# Altium PCB JacdacBreadboardEc30-16x6 128.PcbDoc (part 1 of 2)
Units mm, origin at the board's own origin, x right, y up, seen from the top; angles counter-clockwise.
Board outline 158 x 58 mm, 2 copper layers (Top Layer, Bottom Layer), stack 1.525 mm thick; 96 components, 3 nets, 768 pads, 434 vias.
Unrouted connection lines stored in the file: 55.
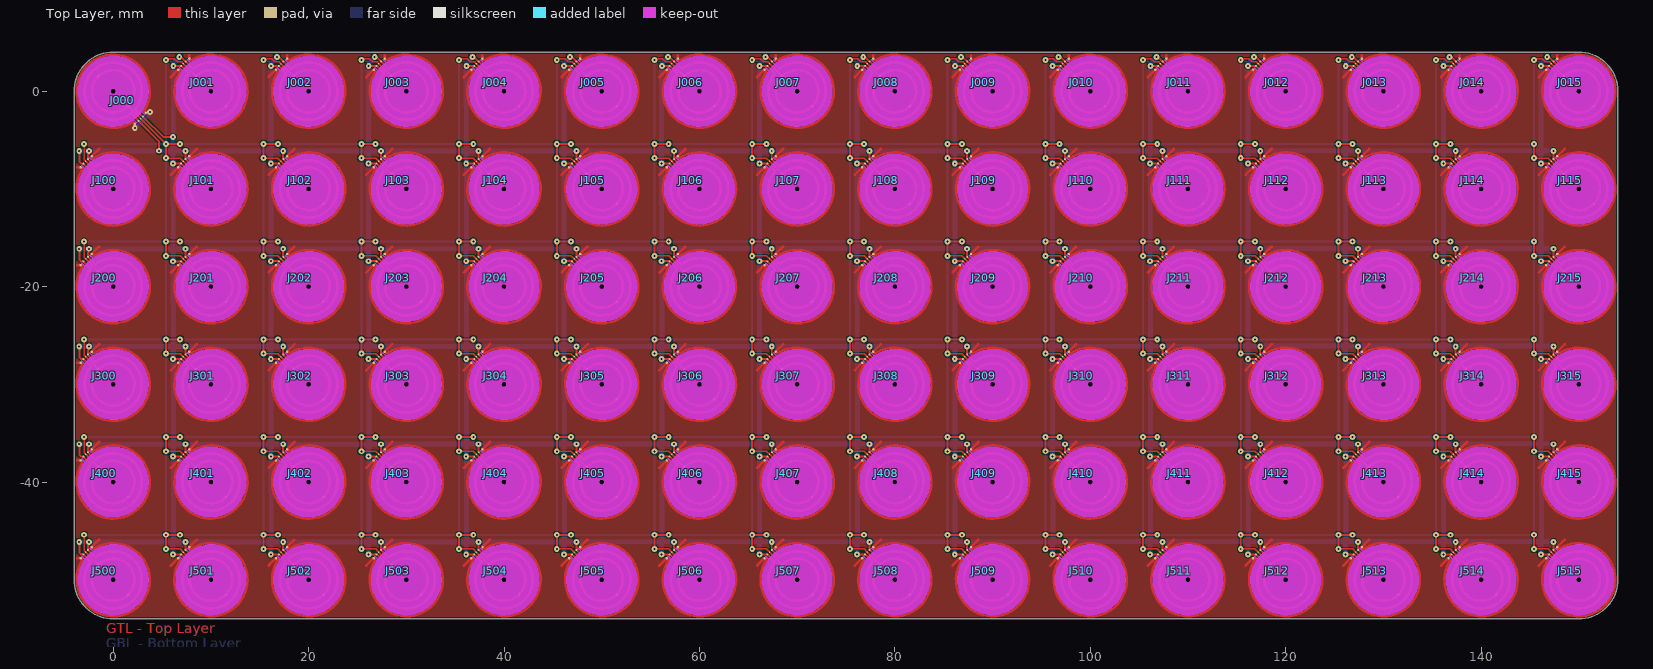
[diagram p0: Top Layer view]
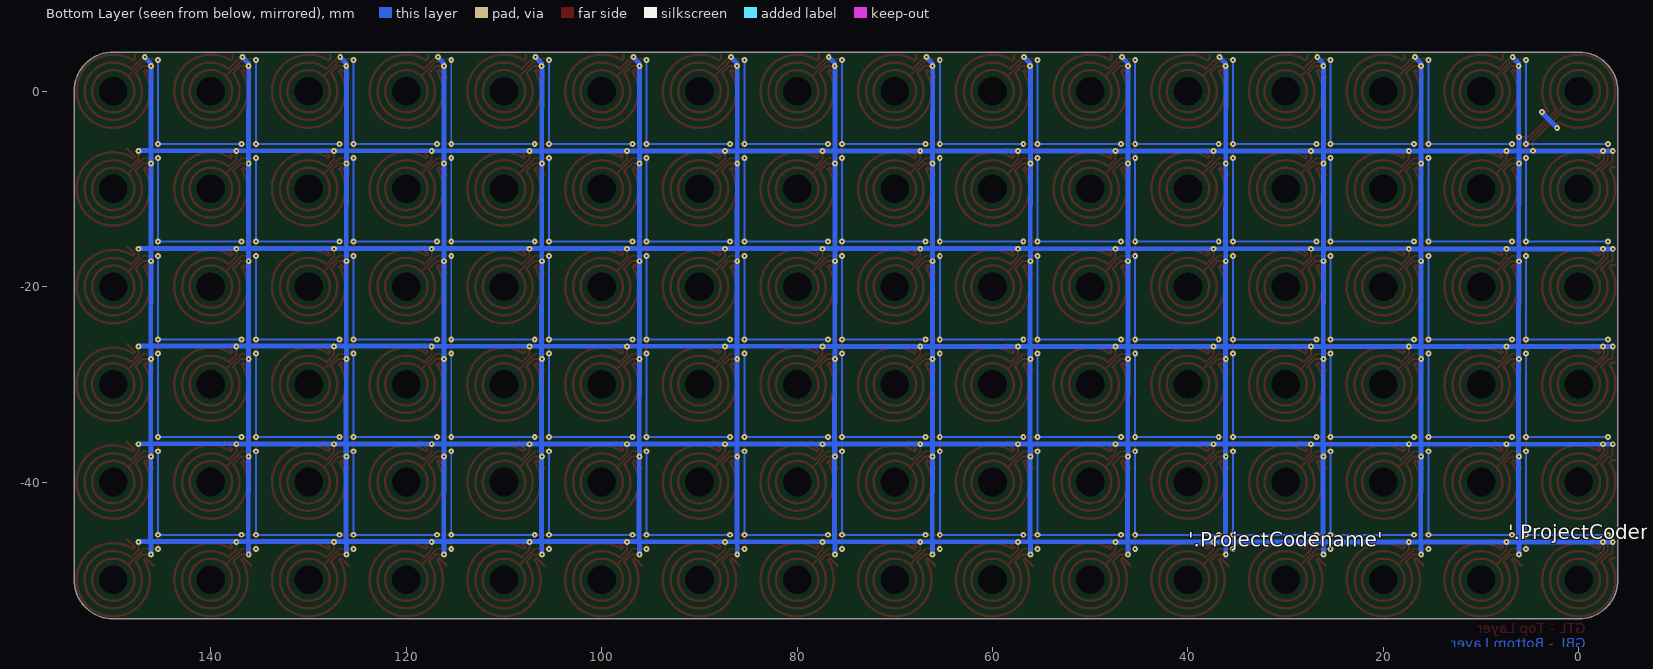
[diagram p1: Bottom Layer view, seen from below]

## Layer stack, top to bottom
Top Solder: solder mask 0.0102, Solder Resist, Dk 3.5
Top Layer: signal copper 0.0356
Dielectric 1: core 1.454, FR-4, Dk 4.2
Bottom Layer: signal copper 0.0356
Bottom Solder: solder mask 0.0102, Solder Resist, Dk 3.5

## Board outline
-4,-50 ccw(c0,-50) 0,-54 150,-54 ccw(c150,-50) 154,-50 154,0 ccw(c150,0) 150,4 0,4 ccw(c0,0) -4,0

## Design rules (kind name [scope] priority, off if disabled: settings)
AssemblyTestPointUsage [All] p1: valid=2
BoardOutlineClearance [All] p1: gap=0.3 ignorepadtopadclearanceinfootprint=FALSE except(0: Arc-SplitContinuation Track-SplitContinuation SMDPad-SplitContinuation THPad-SplitContinuation Via-SplitContinuation Fill-SplitContinuation Poly-SplitContinuation Region-SplitContinuation Text-OutlineEdge Text-SplitContinuation; 0.1: Arc-OutlineEdge; 0.15: Track-OutlineEdge; 0.2: SMDPad-OutlineEdge THPad-OutlineEdge Via-OutlineEdge Fill-OutlineEdge Poly-OutlineEdge Region-OutlineEdge Region-CavityEdge Region-CutoutEdge Region-SplitBarrior Text-CavityEdge Text-CutoutEdge Text-SplitBarrior)
Clearance [All] p1: gap=0.13 ignorepadtopadclearanceinfootprint=FALSE
ComponentClearance MH5.0KeepoutaAreaClearance [InComponent('MH1') or InComponent('MH2')  or InComponent('MH3') or InComponent('MH4') vs InComponent('D6') or InComponent('D7') or InComponent('D8') or InComponent('D9') or InComponent('D10') or InComponent('D11') or InComponent('D12') or InComponent('D13') or InComponent('C6') or InComponent('C7') or InComponent('C8')  or  InComponent('C9') or  InComponent('C12')] p1: gap=0 collisioncheckmode=3 verticalgap=0 showdistances=FALSE
ComponentClearance [All] p2: gap=0.2 collisioncheckmode=3 verticalgap=0.2 showdistances=FALSE
DiffPairsRouting [All] p1: maxlimit=2 minlimit=0.15 mostfreqgap=0.15 toplayer_minwidth=0.15 toplayer_maxwidth=2 toplayer_prefwidth=0.15 bottomlayer_minwidth=0.15 bottomlayer_maxwidth=2 bottomlayer_prefwidth=0.15 maxuncoupledlength=25
FabricationTestPointUsage [All] p1: valid=2 allowmultiple=FALSE
HoleSize [All] p1: absolutevalues=TRUE maxlimit=5 minlimit=0.2 maxpercent=80.000 minpercent=20.000
HoleToHoleClearance HoleToHoleClearance_J3_J4 [InComponent('J3') vs InComponent('J4')] p1: gap=2.54 allowstackedmicrovias=TRUE
HoleToHoleClearance [All] p2: gap=0.254 allowstackedmicrovias=TRUE
MinimumSolderMaskSliver [All] p1: minsoldermaskwidth=0.005
PlaneClearance [All] p1: clearance=0.5
PlaneConnect [All] p1: planeconnectstyle=Relief reliefexpansion=0.5 reliefentries=4 reliefconductorwidth=0.2 reliefairgap=0.3
PolygonConnect [All] p1: connectstyle=Direct reliefconductorwidth=0.2 reliefentries=4 polygonreliefangle="90 Angle" airgapwidth=0.2
RoutingVias RoutingVias_Power [InNetClass('Power')] p1: holewidth=0.4 width=0.8 viastyle="Through Hole" minholewidth=0.2 minwidth=0.6 maxholewidth=0.4 maxwidth=1
RoutingVias [All] p2: holewidth=0.3 width=0.6 viastyle="Through Hole" minholewidth=0.2 minwidth=0.6 maxholewidth=0.3 maxwidth=0.8
SilkToSilkClearance [All] p1: silktosilkclearance=0.001
SilkToSolderMaskClearance [IsPad] p1: minsilkscreentomaskgap=0.05 clearancetoexposedcopper=TRUE
SolderMaskExpansion [All] p1: expansion=0.075 istentingtop=FALSE
UnRoutedNet [All] p1: checkbadconnections=TRUE
ViasUnderSMD [not ( HasFootprint('JACDAC_EDGE_CONNECTOR_NO_TRACES') or HasFootprint('JACDAC_EDGE_CONNECTOR_NO_TRACES_CABLE_GUIDE') )] p1: allowed=FALSE
Width Width_Power [InNetClass('Power')] p1: maxlimit=1 minlimit=0.2 preferedwidth=0.5
Width [All] p2: maxlimit=1 minlimit=0.15 preferedwidth=0.2 minimp=50.000000 maximp=50.000000 favimp=50.000000
18 further rules are at their usual default settings.

## Components (designator, comment, footprint, x,y, rotation, side; value= is the part's Value field where it differs from the comment)
J000 "Jacdac breadboard MH rings" JACDAC_BREADBOARD_MH_RINGS_ALTERNATIVE_V5 0,0 r180 top
J001 "Jacdac breadboard MH rings" JACDAC_BREADBOARD_MH_RINGS_ALTERNATIVE_V5 10,0 r0 top
J002 "Jacdac breadboard MH rings" JACDAC_BREADBOARD_MH_RINGS_ALTERNATIVE_V5 20,0 r0 top
J003 "Jacdac breadboard MH rings" JACDAC_BREADBOARD_MH_RINGS_ALTERNATIVE_V5 30,0 r0 top
J004 "Jacdac breadboard MH rings" JACDAC_BREADBOARD_MH_RINGS_ALTERNATIVE_V5 40,0 r0 top
J005 "Jacdac breadboard MH rings" JACDAC_BREADBOARD_MH_RINGS_ALTERNATIVE_V5 50,0 r0 top
J006 "Jacdac breadboard MH rings" JACDAC_BREADBOARD_MH_RINGS_ALTERNATIVE_V5 60,0 r0 top
J007 "Jacdac breadboard MH rings" JACDAC_BREADBOARD_MH_RINGS_ALTERNATIVE_V5 70,0 r0 top
J008 "Jacdac breadboard MH rings" JACDAC_BREADBOARD_MH_RINGS_ALTERNATIVE_V5 80,0 r0 top
J009 "Jacdac breadboard MH rings" JACDAC_BREADBOARD_MH_RINGS_ALTERNATIVE_V5 90,0 r0 top
J010 "Jacdac breadboard MH rings" JACDAC_BREADBOARD_MH_RINGS_ALTERNATIVE_V5 100,0 r0 top
J011 "Jacdac breadboard MH rings" JACDAC_BREADBOARD_MH_RINGS_ALTERNATIVE_V5 110,0 r0 top
J012 "Jacdac breadboard MH rings" JACDAC_BREADBOARD_MH_RINGS_ALTERNATIVE_V5 120,0 r0 top
J013 "Jacdac breadboard MH rings" JACDAC_BREADBOARD_MH_RINGS_ALTERNATIVE_V5 130,0 r0 top
J014 "Jacdac breadboard MH rings" JACDAC_BREADBOARD_MH_RINGS_ALTERNATIVE_V5 140,0 r0 top
J015 "Jacdac breadboard MH rings" JACDAC_BREADBOARD_MH_RINGS_ALTERNATIVE_V5 150,0 r0 top
J100 "Jacdac breadboard MH rings" JACDAC_BREADBOARD_MH_RINGS_ALTERNATIVE_V5 0,-10 r0 top
J101 "Jacdac breadboard MH rings" JACDAC_BREADBOARD_MH_RINGS_ALTERNATIVE_V5 10,-10 r0 top
J102 "Jacdac breadboard MH rings" JACDAC_BREADBOARD_MH_RINGS_ALTERNATIVE_V5 20,-10 r0 top
J103 "Jacdac breadboard MH rings" JACDAC_BREADBOARD_MH_RINGS_ALTERNATIVE_V5 30,-10 r0 top
J104 "Jacdac breadboard MH rings" JACDAC_BREADBOARD_MH_RINGS_ALTERNATIVE_V5 40,-10 r0 top
J105 "Jacdac breadboard MH rings" JACDAC_BREADBOARD_MH_RINGS_ALTERNATIVE_V5 50,-10 r0 top
J106 "Jacdac breadboard MH rings" JACDAC_BREADBOARD_MH_RINGS_ALTERNATIVE_V5 60,-10 r0 top
J107 "Jacdac breadboard MH rings" JACDAC_BREADBOARD_MH_RINGS_ALTERNATIVE_V5 70,-10 r0 top
J108 "Jacdac breadboard MH rings" JACDAC_BREADBOARD_MH_RINGS_ALTERNATIVE_V5 80,-10 r0 top
J109 "Jacdac breadboard MH rings" JACDAC_BREADBOARD_MH_RINGS_ALTERNATIVE_V5 90,-10 r0 top
J110 "Jacdac breadboard MH rings" JACDAC_BREADBOARD_MH_RINGS_ALTERNATIVE_V5 100,-10 r0 top
J111 "Jacdac breadboard MH rings" JACDAC_BREADBOARD_MH_RINGS_ALTERNATIVE_V5 110,-10 r0 top
J112 "Jacdac breadboard MH rings" JACDAC_BREADBOARD_MH_RINGS_ALTERNATIVE_V5 120,-10 r0 top
J113 "Jacdac breadboard MH rings" JACDAC_BREADBOARD_MH_RINGS_ALTERNATIVE_V5 130,-10 r0 top
J114 "Jacdac breadboard MH rings" JACDAC_BREADBOARD_MH_RINGS_ALTERNATIVE_V5 140,-10 r0 top
J115 "Jacdac breadboard MH rings" JACDAC_BREADBOARD_MH_RINGS_ALTERNATIVE_V5 150,-10 r0 top
J200 "Jacdac breadboard MH rings" JACDAC_BREADBOARD_MH_RINGS_ALTERNATIVE_V5 0,-20 r0 top
J201 "Jacdac breadboard MH rings" JACDAC_BREADBOARD_MH_RINGS_ALTERNATIVE_V5 10,-20 r0 top
J202 "Jacdac breadboard MH rings" JACDAC_BREADBOARD_MH_RINGS_ALTERNATIVE_V5 20,-20 r0 top
J203 "Jacdac breadboard MH rings" JACDAC_BREADBOARD_MH_RINGS_ALTERNATIVE_V5 30,-20 r0 top
J204 "Jacdac breadboard MH rings" JACDAC_BREADBOARD_MH_RINGS_ALTERNATIVE_V5 40,-20 r0 top
J205 "Jacdac breadboard MH rings" JACDAC_BREADBOARD_MH_RINGS_ALTERNATIVE_V5 50,-20 r0 top
J206 "Jacdac breadboard MH rings" JACDAC_BREADBOARD_MH_RINGS_ALTERNATIVE_V5 60,-20 r0 top
J207 "Jacdac breadboard MH rings" JACDAC_BREADBOARD_MH_RINGS_ALTERNATIVE_V5 70,-20 r0 top
J208 "Jacdac breadboard MH rings" JACDAC_BREADBOARD_MH_RINGS_ALTERNATIVE_V5 80,-20 r0 top
J209 "Jacdac breadboard MH rings" JACDAC_BREADBOARD_MH_RINGS_ALTERNATIVE_V5 90,-20 r0 top
J210 "Jacdac breadboard MH rings" JACDAC_BREADBOARD_MH_RINGS_ALTERNATIVE_V5 100,-20 r0 top
J211 "Jacdac breadboard MH rings" JACDAC_BREADBOARD_MH_RINGS_ALTERNATIVE_V5 110,-20 r0 top
J212 "Jacdac breadboard MH rings" JACDAC_BREADBOARD_MH_RINGS_ALTERNATIVE_V5 120,-20 r0 top
J213 "Jacdac breadboard MH rings" JACDAC_BREADBOARD_MH_RINGS_ALTERNATIVE_V5 130,-20 r0 top
J214 "Jacdac breadboard MH rings" JACDAC_BREADBOARD_MH_RINGS_ALTERNATIVE_V5 140,-20 r0 top
J215 "Jacdac breadboard MH rings" JACDAC_BREADBOARD_MH_RINGS_ALTERNATIVE_V5 150,-20 r0 top
J300 "Jacdac breadboard MH rings" JACDAC_BREADBOARD_MH_RINGS_ALTERNATIVE_V5 0,-30 r0 top
J301 "Jacdac breadboard MH rings" JACDAC_BREADBOARD_MH_RINGS_ALTERNATIVE_V5 10,-30 r0 top
J302 "Jacdac breadboard MH rings" JACDAC_BREADBOARD_MH_RINGS_ALTERNATIVE_V5 20,-30 r0 top
J303 "Jacdac breadboard MH rings" JACDAC_BREADBOARD_MH_RINGS_ALTERNATIVE_V5 30,-30 r0 top
J304 "Jacdac breadboard MH rings" JACDAC_BREADBOARD_MH_RINGS_ALTERNATIVE_V5 40,-30 r0 top
J305 "Jacdac breadboard MH rings" JACDAC_BREADBOARD_MH_RINGS_ALTERNATIVE_V5 50,-30 r0 top
J306 "Jacdac breadboard MH rings" JACDAC_BREADBOARD_MH_RINGS_ALTERNATIVE_V5 60,-30 r0 top
J307 "Jacdac breadboard MH rings" JACDAC_BREADBOARD_MH_RINGS_ALTERNATIVE_V5 70,-30 r0 top
J308 "Jacdac breadboard MH rings" JACDAC_BREADBOARD_MH_RINGS_ALTERNATIVE_V5 80,-30 r0 top
J309 "Jacdac breadboard MH rings" JACDAC_BREADBOARD_MH_RINGS_ALTERNATIVE_V5 90,-30 r0 top
J310 "Jacdac breadboard MH rings" JACDAC_BREADBOARD_MH_RINGS_ALTERNATIVE_V5 100,-30 r0 top
J311 "Jacdac breadboard MH rings" JACDAC_BREADBOARD_MH_RINGS_ALTERNATIVE_V5 110,-30 r0 top
J312 "Jacdac breadboard MH rings" JACDAC_BREADBOARD_MH_RINGS_ALTERNATIVE_V5 120,-30 r0 top
J313 "Jacdac breadboard MH rings" JACDAC_BREADBOARD_MH_RINGS_ALTERNATIVE_V5 130,-30 r0 top
J314 "Jacdac breadboard MH rings" JACDAC_BREADBOARD_MH_RINGS_ALTERNATIVE_V5 140,-30 r0 top
J315 "Jacdac breadboard MH rings" JACDAC_BREADBOARD_MH_RINGS_ALTERNATIVE_V5 150,-30 r0 top
J400 "Jacdac breadboard MH rings" JACDAC_BREADBOARD_MH_RINGS_ALTERNATIVE_V5 0,-40 r0 top
J401 "Jacdac breadboard MH rings" JACDAC_BREADBOARD_MH_RINGS_ALTERNATIVE_V5 10,-40 r0 top
J402 "Jacdac breadboard MH rings" JACDAC_BREADBOARD_MH_RINGS_ALTERNATIVE_V5 20,-40 r0 top
J403 "Jacdac breadboard MH rings" JACDAC_BREADBOARD_MH_RINGS_ALTERNATIVE_V5 30,-40 r0 top
J404 "Jacdac breadboard MH rings" JACDAC_BREADBOARD_MH_RINGS_ALTERNATIVE_V5 40,-40 r0 top
J405 "Jacdac breadboard MH rings" JACDAC_BREADBOARD_MH_RINGS_ALTERNATIVE_V5 50,-40 r0 top
J406 "Jacdac breadboard MH rings" JACDAC_BREADBOARD_MH_RINGS_ALTERNATIVE_V5 60,-40 r0 top
J407 "Jacdac breadboard MH rings" JACDAC_BREADBOARD_MH_RINGS_ALTERNATIVE_V5 70,-40 r0 top
J408 "Jacdac breadboard MH rings" JACDAC_BREADBOARD_MH_RINGS_ALTERNATIVE_V5 80,-40 r0 top
J409 "Jacdac breadboard MH rings" JACDAC_BREADBOARD_MH_RINGS_ALTERNATIVE_V5 90,-40 r0 top
J410 "Jacdac breadboard MH rings" JACDAC_BREADBOARD_MH_RINGS_ALTERNATIVE_V5 100,-40 r0 top
J411 "Jacdac breadboard MH rings" JACDAC_BREADBOARD_MH_RINGS_ALTERNATIVE_V5 110,-40 r0 top
J412 "Jacdac breadboard MH rings" JACDAC_BREADBOARD_MH_RINGS_ALTERNATIVE_V5 120,-40 r0 top
J413 "Jacdac breadboard MH rings" JACDAC_BREADBOARD_MH_RINGS_ALTERNATIVE_V5 130,-40 r0 top
J414 "Jacdac breadboard MH rings" JACDAC_BREADBOARD_MH_RINGS_ALTERNATIVE_V5 140,-40 r0 top
J415 "Jacdac breadboard MH rings" JACDAC_BREADBOARD_MH_RINGS_ALTERNATIVE_V5 150,-40 r0 top
J500 "Jacdac breadboard MH rings" JACDAC_BREADBOARD_MH_RINGS_ALTERNATIVE_V5 0,-50 r0 top
J501 "Jacdac breadboard MH rings" JACDAC_BREADBOARD_MH_RINGS_ALTERNATIVE_V5 10,-50 r0 top
J502 "Jacdac breadboard MH rings" JACDAC_BREADBOARD_MH_RINGS_ALTERNATIVE_V5 20,-50 r0 top
J503 "Jacdac breadboard MH rings" JACDAC_BREADBOARD_MH_RINGS_ALTERNATIVE_V5 30,-50 r0 top
J504 "Jacdac breadboard MH rings" JACDAC_BREADBOARD_MH_RINGS_ALTERNATIVE_V5 40,-50 r0 top
J505 "Jacdac breadboard MH rings" JACDAC_BREADBOARD_MH_RINGS_ALTERNATIVE_V5 50,-50 r0 top
J506 "Jacdac breadboard MH rings" JACDAC_BREADBOARD_MH_RINGS_ALTERNATIVE_V5 60,-50 r0 top
J507 "Jacdac breadboard MH rings" JACDAC_BREADBOARD_MH_RINGS_ALTERNATIVE_V5 70,-50 r0 top
J508 "Jacdac breadboard MH rings" JACDAC_BREADBOARD_MH_RINGS_ALTERNATIVE_V5 80,-50 r0 top
J509 "Jacdac breadboard MH rings" JACDAC_BREADBOARD_MH_RINGS_ALTERNATIVE_V5 90,-50 r0 top
J510 "Jacdac breadboard MH rings" JACDAC_BREADBOARD_MH_RINGS_ALTERNATIVE_V5 100,-50 r0 top
J511 "Jacdac breadboard MH rings" JACDAC_BREADBOARD_MH_RINGS_ALTERNATIVE_V5 110,-50 r0 top
J512 "Jacdac breadboard MH rings" JACDAC_BREADBOARD_MH_RINGS_ALTERNATIVE_V5 120,-50 r0 top
J513 "Jacdac breadboard MH rings" JACDAC_BREADBOARD_MH_RINGS_ALTERNATIVE_V5 130,-50 r0 top
J514 "Jacdac breadboard MH rings" JACDAC_BREADBOARD_MH_RINGS_ALTERNATIVE_V5 140,-50 r0 top
J515 "Jacdac breadboard MH rings" JACDAC_BREADBOARD_MH_RINGS_ALTERNATIVE_V5 150,-50 r0 top

## Footprints (in the part's own frame and the unit in brackets; to place one, negate y for a bottom-side part, rotate by r counter-clockwise, add the part's x,y. Pads: shape width x height; smd on the part's side, far side on the other; paste and mask are expansions set on the pad)
JACDAC_BREADBOARD_MH_RINGS_ALTERNATIVE_V5 [mm]
  round 0.15 smd paste-1 mask+0: 1(-2.828,2.828)
  round 0.25 smd paste-1 mask+0: 1(-1.534,1.534) 1(1.534,-1.534) 2(-3.336,2.207) 2(-2.207,3.336)
  round 0.2 smd paste-1 mask+0: 3(-3.047,2.591) 3(-2.59,3.046)
  round 0 hole 2.93 unplated: 16(0,0)
  Top Layer lines w0.15: -1.534,1.534 -2.828,2.828
  Top Layer lines w0.2: -1.835,2.279 -2.59,3.046 ; -2.279,1.836 -3.048,2.592
  Top Layer lines w0.25: -1.812,2.303 cw(c0,0) -2.302,1.813 ; -2.207,3.337 -2.024,3.157 cw(c0,0) -3.158,2.023 ; -3.151,2.019 -3.337,2.207 ; 1.534,-1.534 ccw(c0,0) -1.534,1.534 ccw(c0,0) 1.534,-1.534
  Top Layer keep-out circle w3.4: c0,0 r1.94
  Top Layer keep-out lines w0.18: -2.016,2.84 -2.388,3.208 ; -2.848,2.027 -3.21,2.386
  body extent -3.89,-3.88 3.88,3.88, height 0.05

## Part data
J000 J001 J002 J003 J004 J005 J006 J007 J008 J009 J010 J011 J012 J013 J014 J015 J100 J101 J102 J103 J104 J105 J106 J107 J108 J109 J110 J111 J112 J113 J114 J115 J200 J201 J202 J203 J204 J205 J206 J207 J208 J209 J210 J211 J212 J213 J214 J215 J300 J301 J302 J303 J304 J305 J306 J307 J308 J309 J310 J311 J312 J313 J314 J315 J400 J401 J402 J403 J404 J405 J406 J407 J408 J409 J410 J411 J412 J413 J414 J415 J500 J501 J502 J503 J504 J505 J506 J507 J508 J509 J510 J511 J512 J513 J514 J515: Hole Clearance=7.0mm, Hole Size=M3

## Via types
v1: diameter 0.6, hole 0.2, Top Layer to Bottom Layer, tented both sides, 434 vias

## Nets (pads, with @x,y where several pads share a name; then routed paths per layer and width w, separated by ;. In a path a pad name is that pad's centre, name@x,y a point inside that pad or via, vN(x,y) a via of type N, cw(c..) or ccw(c..) an arc to the next point about the centre after c; other vN are vias at no path point)
GND: J000.2 J001.2 J002.2 J003.2 J004.2 J005.2 J006.2 J007.2 J008.2 J009.2 J010.2 J011.2 J012.2 J013.2 J014.2 J015.2 J100.2 J101.2 J102.2 J103.2 J104.2 J105.2 J106.2 J107.2 J108.2 J109.2 J110.2 J111.2 J112.2 J113.2 J114.2 J115.2 J200.2 J201.2 J202.2 J203.2 J204.2 J205.2 J206.2 J207.2 J208.2 J209.2 J210.2 J211.2 J212.2 J213.2 J214.2 J215.2 J300.2 J301.2 J302.2 J303.2 J304.2 J305.2 J306.2 J307.2 J308.2 J309.2 J310.2 J311.2 J312.2 J313.2 J314.2 J315.2 J400.2 J401.2 J402.2 J403.2 J404.2 J405.2 J406.2 J407.2 J408.2 J409.2 J410.2 J411.2 J412.2 J413.2 J414.2 J415.2 J500.2 J501.2 J502.2 J503.2 J504.2 J505.2 J506.2 J507.2 J508.2 J509.2 J510.2 J511.2 J512.2 J513.2 J514.2 J515.2 | length 194.1
  Top Layer w0.25: -3.7,-47.793 J500.2@-3.336,-47.793 ; -3.7,-37.793 J400.2@-3.336,-37.793 ; -3.7,-27.793 J300.2@-3.336,-27.793 ; -3.7,-17.793 J200.2@-3.336,-17.793 ; -3.7,-7.793 J100.2@-3.336,-7.793 ; J500.2@-2.207,-46.664 -1.443,-45.9 ; J400.2@-2.207,-36.664 -1.443,-35.9 ; J300.2@-2.207,-26.664 -1.443,-25.9 ; J200.2@-2.207,-16.664 -1.443,-15.9 ; J100.2@-2.207,-6.664 -1.443,-5.9 ; J000.2@2.207,-3.337 2.207,-3.76 v1(2.209,-3.761) ; J000.2@3.336,-2.207 3.358,-2.185 3.715,-2.185 v1(3.782,-2.118) ; 5.9,-48.557 J501.2@6.664,-47.793 ; 5.9,-38.557 J401.2@6.664,-37.793 ; 5.9,-28.557 J301.2@6.664,-27.793 ; 5.9,-18.557 J201.2@6.664,-17.793 ; 5.9,-8.557 J101.2@6.664,-7.793 ; 5.9,1.443 J001.2@6.664,2.207 ; J001.2@7.793,3.336 7.793,3.7 ; J501.2@7.793,-46.664 8.557,-45.9 ; J401.2@7.793,-36.664 8.557,-35.9 ; J301.2@7.793,-26.664 8.557,-25.9 ; J201.2@7.793,-16.664 8.557,-15.9 ; J101.2@7.793,-6.664 8.557,-5.9 ; 15.9,-48.557 J502.2@16.664,-47.793 ; 15.9,-38.557 J402.2@16.664,-37.793 ; 15.9,-28.557 J302.2@16.664,-27.793 ; 15.9,-18.557 J202.2@16.664,-17.793 ; 15.9,-8.557 J102.2@16.664,-7.793 ; 15.9,1.443 J002.2@16.664,2.207 ; J002.2@17.793,3.336 17.793,3.7 ; J502.2@17.793,-46.664 18.557,-45.9 ; J402.2@17.793,-36.664 18.557,-35.9 ; J302.2@17.793,-26.664 18.557,-25.9 ; J202.2@17.793,-16.664 18.557,-15.9 ; J102.2@17.793,-6.664 18.557,-5.9 ; 25.9,-48.557 J503.2@26.664,-47.793 ; 25.9,-38.557 J403.2@26.664,-37.793 ; 25.9,-28.557 J303.2@26.664,-27.793 ; 25.9,-18.557 J203.2@26.664,-17.793 ; 25.9,-8.557 J103.2@26.664,-7.793 ; 25.9,1.443 J003.2@26.664,2.207 ; J003.2@27.793,3.336 27.793,3.7 ; J503.2@27.793,-46.664 28.557,-45.9 ; J403.2@27.793,-36.664 28.557,-35.9 ; J303.2@27.793,-26.664 28.557,-25.9 ; J203.2@27.793,-16.664 28.557,-15.9 ; J103.2@27.793,-6.664 28.557,-5.9 ; 35.9,-48.557 J504.2@36.664,-47.793 ; 35.9,-38.557 J404.2@36.664,-37.793 ; 35.9,-28.557 J304.2@36.664,-27.793 ; 35.9,-18.557 J204.2@36.664,-17.793 ; 35.9,-8.557 J104.2@36.664,-7.793 ; 35.9,1.443 J004.2@36.664,2.207 ; J004.2@37.793,3.336 37.793,3.7 ; J504.2@37.793,-46.664 38.557,-45.9 ; J404.2@37.793,-36.664 38.557,-35.9 ; J304.2@37.793,-26.664 38.557,-25.9 ; J204.2@37.793,-16.664 38.557,-15.9 ; J104.2@37.793,-6.664 38.557,-5.9 ; 45.9,-48.557 J505.2@46.664,-47.793 ; 45.9,-38.557 J405.2@46.664,-37.793 ; 45.9,-28.557 J305.2@46.664,-27.793 ; 45.9,-18.557 J205.2@46.664,-17.793 ; 45.9,-8.557 J105.2@46.664,-7.793 ; 45.9,1.443 J005.2@46.664,2.207 ; J005.2@47.793,3.336 47.793,3.7 ; J505.2@47.793,-46.664 48.557,-45.9 ; J405.2@47.793,-36.664 48.557,-35.9 ; J305.2@47.793,-26.664 48.557,-25.9 ; J205.2@47.793,-16.664 48.557,-15.9 ; J105.2@47.793,-6.664 48.557,-5.9 ; 55.9,-48.557 J506.2@56.664,-47.793 ; 55.9,-38.557 J406.2@56.664,-37.793 ; 55.9,-28.557 J306.2@56.664,-27.793 ; 55.9,-18.557 J206.2@56.664,-17.793 ; 55.9,-8.557 J106.2@56.664,-7.793 ; 55.9,1.443 J006.2@56.664,2.207 ; J006.2@57.793,3.336 57.793,3.7 ; J506.2@57.793,-46.664 58.557,-45.9 ; J406.2@57.793,-36.664 58.557,-35.9 ; J306.2@57.793,-26.664 58.557,-25.9 ; J206.2@57.793,-16.664 58.557,-15.9 ; J106.2@57.793,-6.664 58.557,-5.9 ; 65.9,-48.557 J507.2@66.664,-47.793 ; 65.9,-38.557 J407.2@66.664,-37.793 ; 65.9,-28.557 J307.2@66.664,-27.793 ; 65.9,-18.557 J207.2@66.664,-17.793 ; 65.9,-8.557 J107.2@66.664,-7.793 ; 65.9,1.443 J007.2@66.664,2.207 ; J007.2@67.793,3.336 67.793,3.7 ; J507.2@67.793,-46.664 68.557,-45.9 ; J407.2@67.793,-36.664 68.557,-35.9 ; J307.2@67.793,-26.664 68.557,-25.9 ; J207.2@67.793,-16.664 68.557,-15.9 ; J107.2@67.793,-6.664 68.557,-5.9 ; 75.9,-48.557 J508.2@76.664,-47.793 ; 75.9,-38.557 J408.2@76.664,-37.793 ; 75.9,-28.557 J308.2@76.664,-27.793 ; 75.9,-18.557 J208.2@76.664,-17.793 ; 75.9,-8.557 J108.2@76.664,-7.793 ; 75.9,1.443 J008.2@76.664,2.207 ; J008.2@77.793,3.336 77.793,3.7 ; J508.2@77.793,-46.664 78.557,-45.9 ; J408.2@77.793,-36.664 78.557,-35.9 ; J308.2@77.793,-26.664 78.557,-25.9 ; J208.2@77.793,-16.664 78.557,-15.9 ; J108.2@77.793,-6.664 78.557,-5.9 ; 85.9,-48.557 J509.2@86.664,-47.793 ; 85.9,-38.557 J409.2@86.664,-37.793 ; 85.9,-28.557 J309.2@86.664,-27.793 ; 85.9,-18.557 J209.2@86.664,-17.793 ; 85.9,-8.557 J109.2@86.664,-7.793 ; 85.9,1.443 J009.2@86.664,2.207 ; J009.2@87.793,3.336 87.793,3.7 ; J509.2@87.793,-46.664 88.557,-45.9 ; J409.2@87.793,-36.664 88.557,-35.9 ; J309.2@87.793,-26.664 88.557,-25.9 ; J209.2@87.793,-16.664 88.557,-15.9 ; J109.2@87.793,-6.664 88.557,-5.9 ; 95.9,-48.557 J510.2@96.664,-47.793 ; 95.9,-38.557 J410.2@96.664,-37.793 ; 95.9,-28.557 J310.2@96.664,-27.793 ; 95.9,-18.557 J210.2@96.664,-17.793 ; 95.9,-8.557 J110.2@96.664,-7.793 ; 95.9,1.443 J010.2@96.664,2.207 ; J010.2@97.793,3.336 97.793,3.7 ; J510.2@97.793,-46.664 98.557,-45.9 ; J410.2@97.793,-36.664 98.557,-35.9 ; J310.2@97.793,-26.664 98.557,-25.9 ; J210.2@97.793,-16.664 98.557,-15.9 ; J110.2@97.793,-6.664 98.557,-5.9 ; 105.9,-48.557 J511.2@106.664,-47.793 ; 105.9,-38.557 J411.2@106.664,-37.793 ; 105.9,-28.557 J311.2@106.664,-27.793 ; 105.9,-18.557 J211.2@106.664,-17.793 ; 105.9,-8.557 J111.2@106.664,-7.793 ; 105.9,1.443 J011.2@106.664,2.207 ; J011.2@107.793,3.336 107.793,3.7 ; J511.2@107.793,-46.664 108.557,-45.9 ; J411.2@107.793,-36.664 108.557,-35.9 ; J311.2@107.793,-26.664 108.557,-25.9 ; J211.2@107.793,-16.664 108.557,-15.9 ; J111.2@107.793,-6.664 108.557,-5.9 ; 115.9,-48.557 J512.2@116.664,-47.793 ; 115.9,-38.557 J412.2@116.664,-37.793 ; 115.9,-28.557 J312.2@116.664,-27.793 ; 115.9,-18.557 J212.2@116.664,-17.793 ; 115.9,-8.557 J112.2@116.664,-7.793 ; 115.9,1.443 J012.2@116.664,2.207 ; J012.2@117.793,3.336 117.793,3.7 ; J512.2@117.793,-46.664 118.557,-45.9 ; J412.2@117.793,-36.664 118.557,-35.9 ; J312.2@117.793,-26.664 118.557,-25.9 ; J212.2@117.793,-16.664 118.557,-15.9 ; J112.2@117.793,-6.664 118.557,-5.9 ; 125.9,-48.557 J513.2@126.664,-47.793 ; 125.9,-38.557 J413.2@126.664,-37.793 ; 125.9,-28.557 J313.2@126.664,-27.793 ; 125.9,-18.557 J213.2@126.664,-17.793 ; 125.9,-8.557 J113.2@126.664,-7.793 ; 125.9,1.443 J013.2@126.664,2.207 ; J013.2@127.793,3.336 127.793,3.7 ; J513.2@127.793,-46.664 128.557,-45.9 ; J413.2@127.793,-36.664 128.557,-35.9 ; J313.2@127.793,-26.664 128.557,-25.9 ; J213.2@127.793,-16.664 128.557,-15.9 ; J113.2@127.793,-6.664 128.557,-5.9 ; 135.9,-48.557 J514.2@136.664,-47.793 ; 135.9,-38.557 J414.2@136.664,-37.793 ; 135.9,-28.557 J314.2@136.664,-27.793 ; 135.9,-18.557 J214.2@136.664,-17.793 ; 135.9,-8.557 J114.2@136.664,-7.793 ; 135.9,1.443 J014.2@136.664,2.207 ; J014.2@137.793,3.336 137.793,3.7 ; J514.2@137.793,-46.664 138.557,-45.9 ; J414.2@137.793,-36.664 138.557,-35.9 ; J314.2@137.793,-26.664 138.557,-25.9 ; J214.2@137.793,-16.664 138.557,-15.9 ; J114.2@137.793,-6.664 138.557,-5.9 ; 145.9,-48.557 J515.2@146.664,-47.793 ; 145.9,-38.557 J415.2@146.664,-37.793 ; 145.9,-28.557 J315.2@146.664,-27.793 ; 145.9,-18.557 J215.2@146.664,-17.793 ; 145.9,-8.557 J115.2@146.664,-7.793 ; 145.9,1.443 J015.2@146.664,2.207 ; J015.2@147.793,3.336 147.793,3.7 ; J515.2@147.793,-46.664 148.557,-45.9 ; J415.2@147.793,-36.664 148.557,-35.9 ; J315.2@147.793,-26.664 148.557,-25.9 ; J215.2@147.793,-16.664 148.557,-15.9 ; J115.2@147.793,-6.664 148.557,-5.9
  Bottom Layer w0.5: v1(2.209,-3.761) 3.763,-2.208 3.763,-2.137 v1(3.782,-2.118)